# Allegro board MCU-OLD.brd (continued)
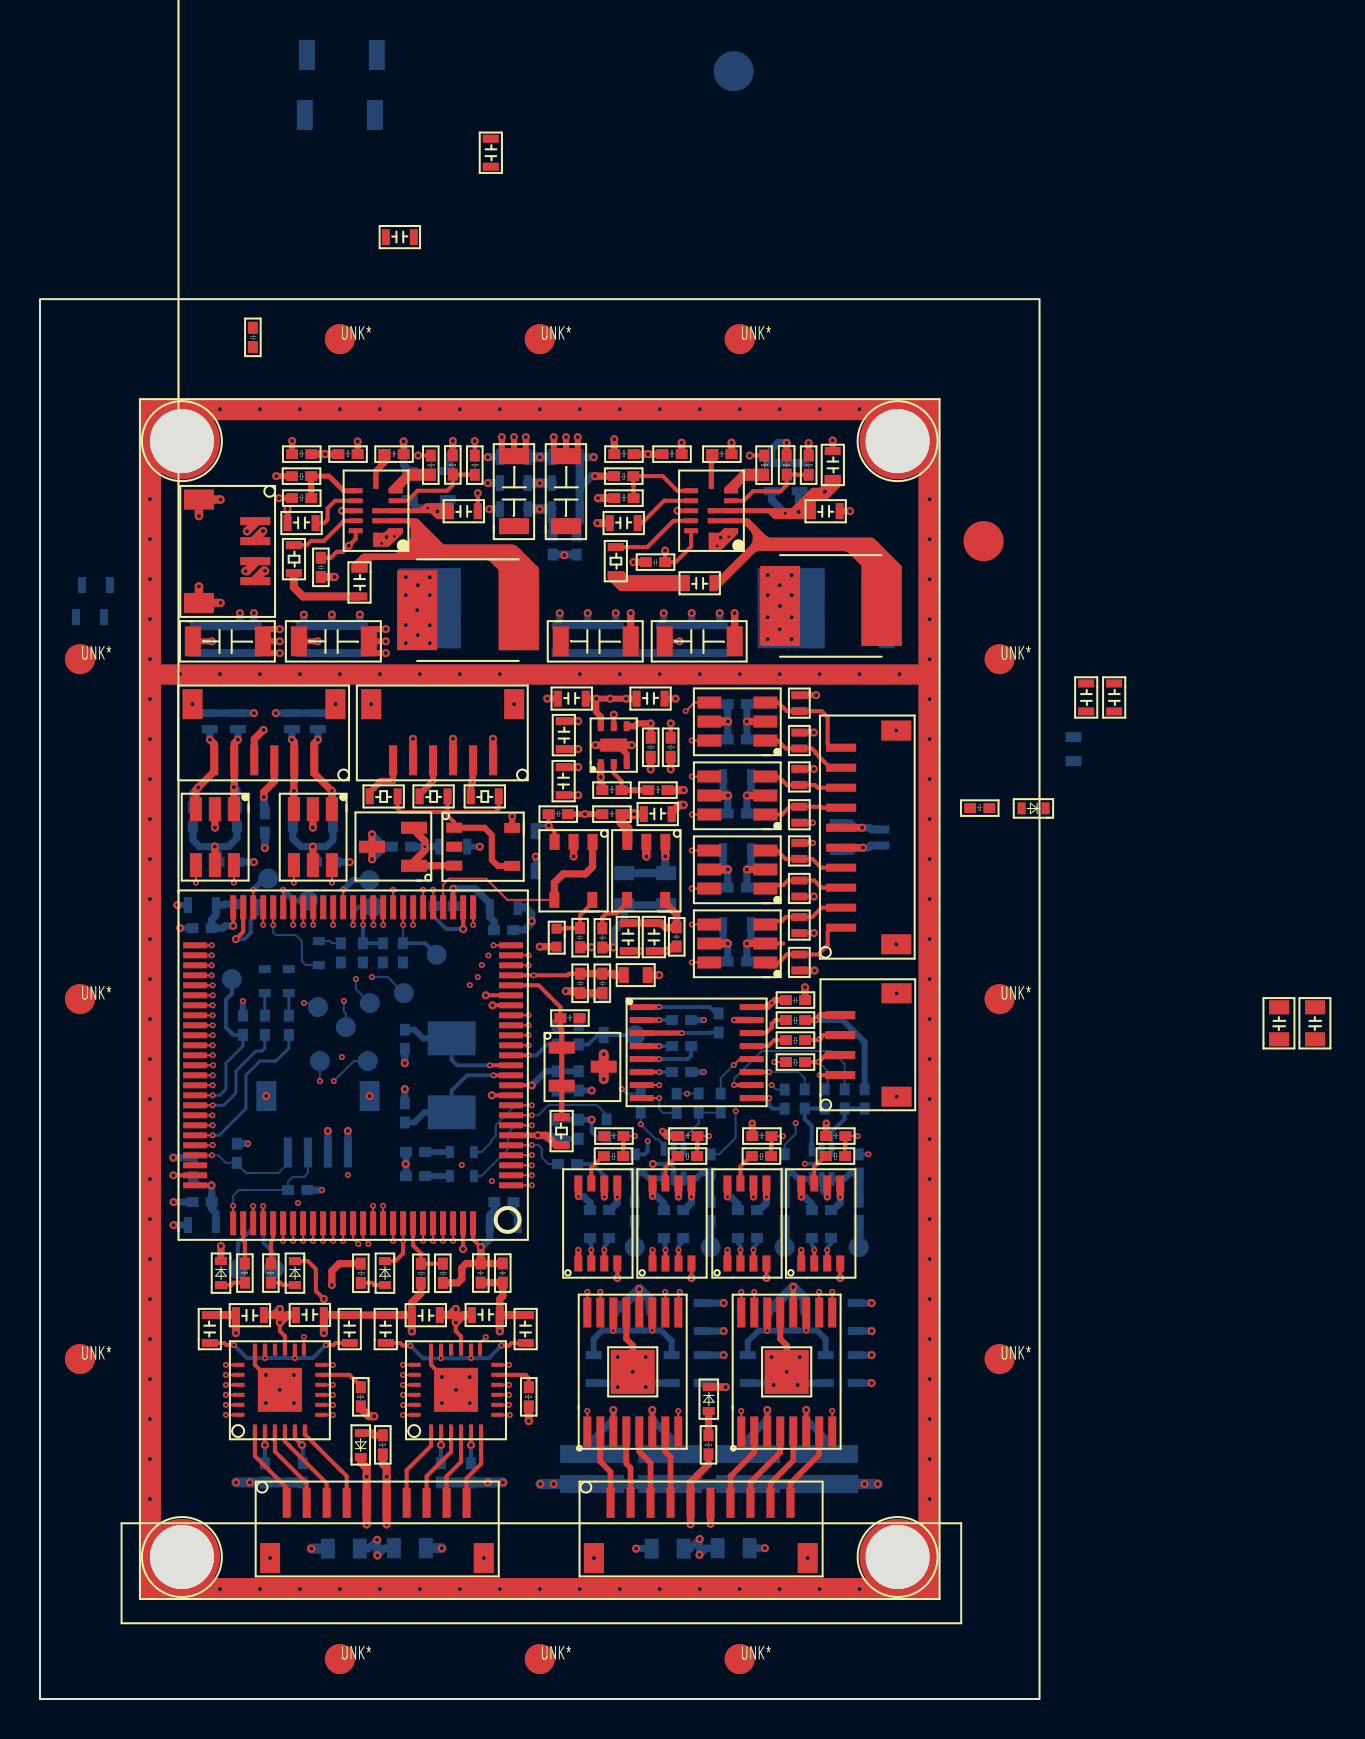
[diagram p0: board, top side]
## Copper pours and planes (outline as drawn; the poured copper is in the pictures) (continued)
VBAT_IN on TOP (solid shape): 20.7,59 19.92,59 19.84,59.02 19.77,59.06 19.6,59.24 19.53,59.28 19.46,59.3 16.62,59.3 16.62,59.55 18.95,59.55 19.03,59.56 19.09,59.6 19.23,59.74 19.29,59.78 19.37,59.8 20.7,59.8
VBAT_IN on TOP (solid shape): 40.05,60.74 40.04,60.66 40,60.6 39.46,60.06 39.39,60.02 39.32,60 38.98,60 38.91,59.98 38.84,59.94 38.8,59.9 38.8,59 36.79,59 36.72,59.02 36.65,59.06 36.47,59.24 36.41,59.28 36.33,59.3 33.41,59.3 33.41,59.55 37.5,59.55 37.58,59.56 37.64,59.6 38.35,60.32 38.55,60.51 38.62,60.56 38.69,60.57 38.93,60.57 39.01,60.59 39.07,60.63 39.26,60.81 39.26,61.21 40.05,61.21
VBAT_IN on PWR-L6: 12.09,63.52 38.72,63.52 40.27,61.98 40.27,60.32 38.95,59 36.54,59 36.25,59.3 33.41,59.3 33.4,61.5 25.99,61.5 25.99,58.79 19.84,58.79 19.34,59.3 16.62,59.3 16.62,61.52 16.33,61.81 12.04,61.81 11.78,62.07 11.78,63.21
VMTR on PWR-L6: 43.95,6.05 43.95,21.72 25.35,21.72 25.35,6.05
VSMTR on PWR-L6: 6.06,6.05 6.06,20.01 24.71,20.01 24.71,6.05
N8196956 on TOP (solid shape): 36.47,60.92 35.38,60.92 35.3,60.9 35.24,60.86 34.92,60.55 34.92,60.3 34.22,60.3 34.22,60.55 35.14,61.46 35.2,61.5 35.28,61.52 36.47,61.52
N8196998 on TOP (solid shape): 33.93,62 33.76,61.83 33.72,61.77 33.7,61.69 33.7,60.52 33.45,60.52 33.45,61.73 33.44,61.8 33.4,61.87 33.36,61.91 33.34,61.94 33.33,61.98 33.33,62.5 33.93,62.5
N8197008 on TOP (solid shape): 35.4,59.05 35.44,59.04 35.47,59.02 36.26,58.23 36.42,58.12 36.62,58.08 41.56,58.08 41.67,58.06 41.77,57.99 43.1,56.66 43.1,52.66 41.1,52.66 41.1,56.66 40.5,57.26 40.33,57.37 40.14,57.41 36.05,57.41 35.85,57.37 35.69,57.26 34.6,56.17 34.06,55.63 33.9,55.47 33.9,55.4 33.5,55.4 33.5,56.2 33.82,56.2 34.02,56.24 34.18,56.35 35.5,57.67 35.61,57.83 35.65,58.03 35.65,58.09 35.61,58.28 35.5,58.45 35.16,58.8 33.41,58.8 33.41,59.05
N8197018 on TOP (solid shape): 29.4,56.2 32.5,56.2 32.5,55.4 29,55.4 28.4,56 28.4,56.4 29.2,56.4
N8197098 on TOP (solid shape): 18.75,59.05 18.87,59.02 18.97,58.96 20.13,57.8 20.19,57.75 20.27,57.74 23.57,57.74 23.76,57.7 23.92,57.59 24.95,56.56 24.95,52.45 22.95,52.45 22.95,56.45 22.49,56.9 22.43,56.95 22.35,56.96 16.73,56.96 16.61,56.94 16.52,56.87 16.38,56.73 16.38,56.33 15.58,56.33 15.58,56.73 16.04,57.2 16.14,57.26 16.25,57.28 17.7,57.28 17.82,57.31 17.91,57.37 18.46,57.92 18.52,58.01 18.54,58.13 18.54,58.48 18.52,58.6 18.46,58.7 18.44,58.71 18.35,58.77 18.23,58.8 16.62,58.8 16.62,59.05
N8197182 on TOP (solid shape): 17.53,61.99 17.51,61.92 17.47,61.85 16.98,61.36 16.94,61.3 16.93,61.22 16.93,60.52 16.68,60.52 16.68,61.4 16.69,61.47 16.73,61.54 16.87,61.68 16.91,61.74 16.93,61.82 16.93,62.5 17.53,62.5
N8197194 on TOP (solid shape): 19.8,60.92 18.6,60.92 18.52,60.9 18.46,60.86 18.14,60.55 18.14,60.3 17.44,60.3 17.44,60.55 18.36,61.46 18.42,61.5 18.5,61.52 19.8,61.52

## Text on the board
Ref Des/Silkscreen Bottom: LDVX12021OCT25A
User.Comments: ANY QUESTIONS PLEASE CALL 13522296239 YANTAI ELECTRICIAN. | V-CUTx4 FOR BREAK
